# KiCad board cpu2.kicad_pcb (continued)
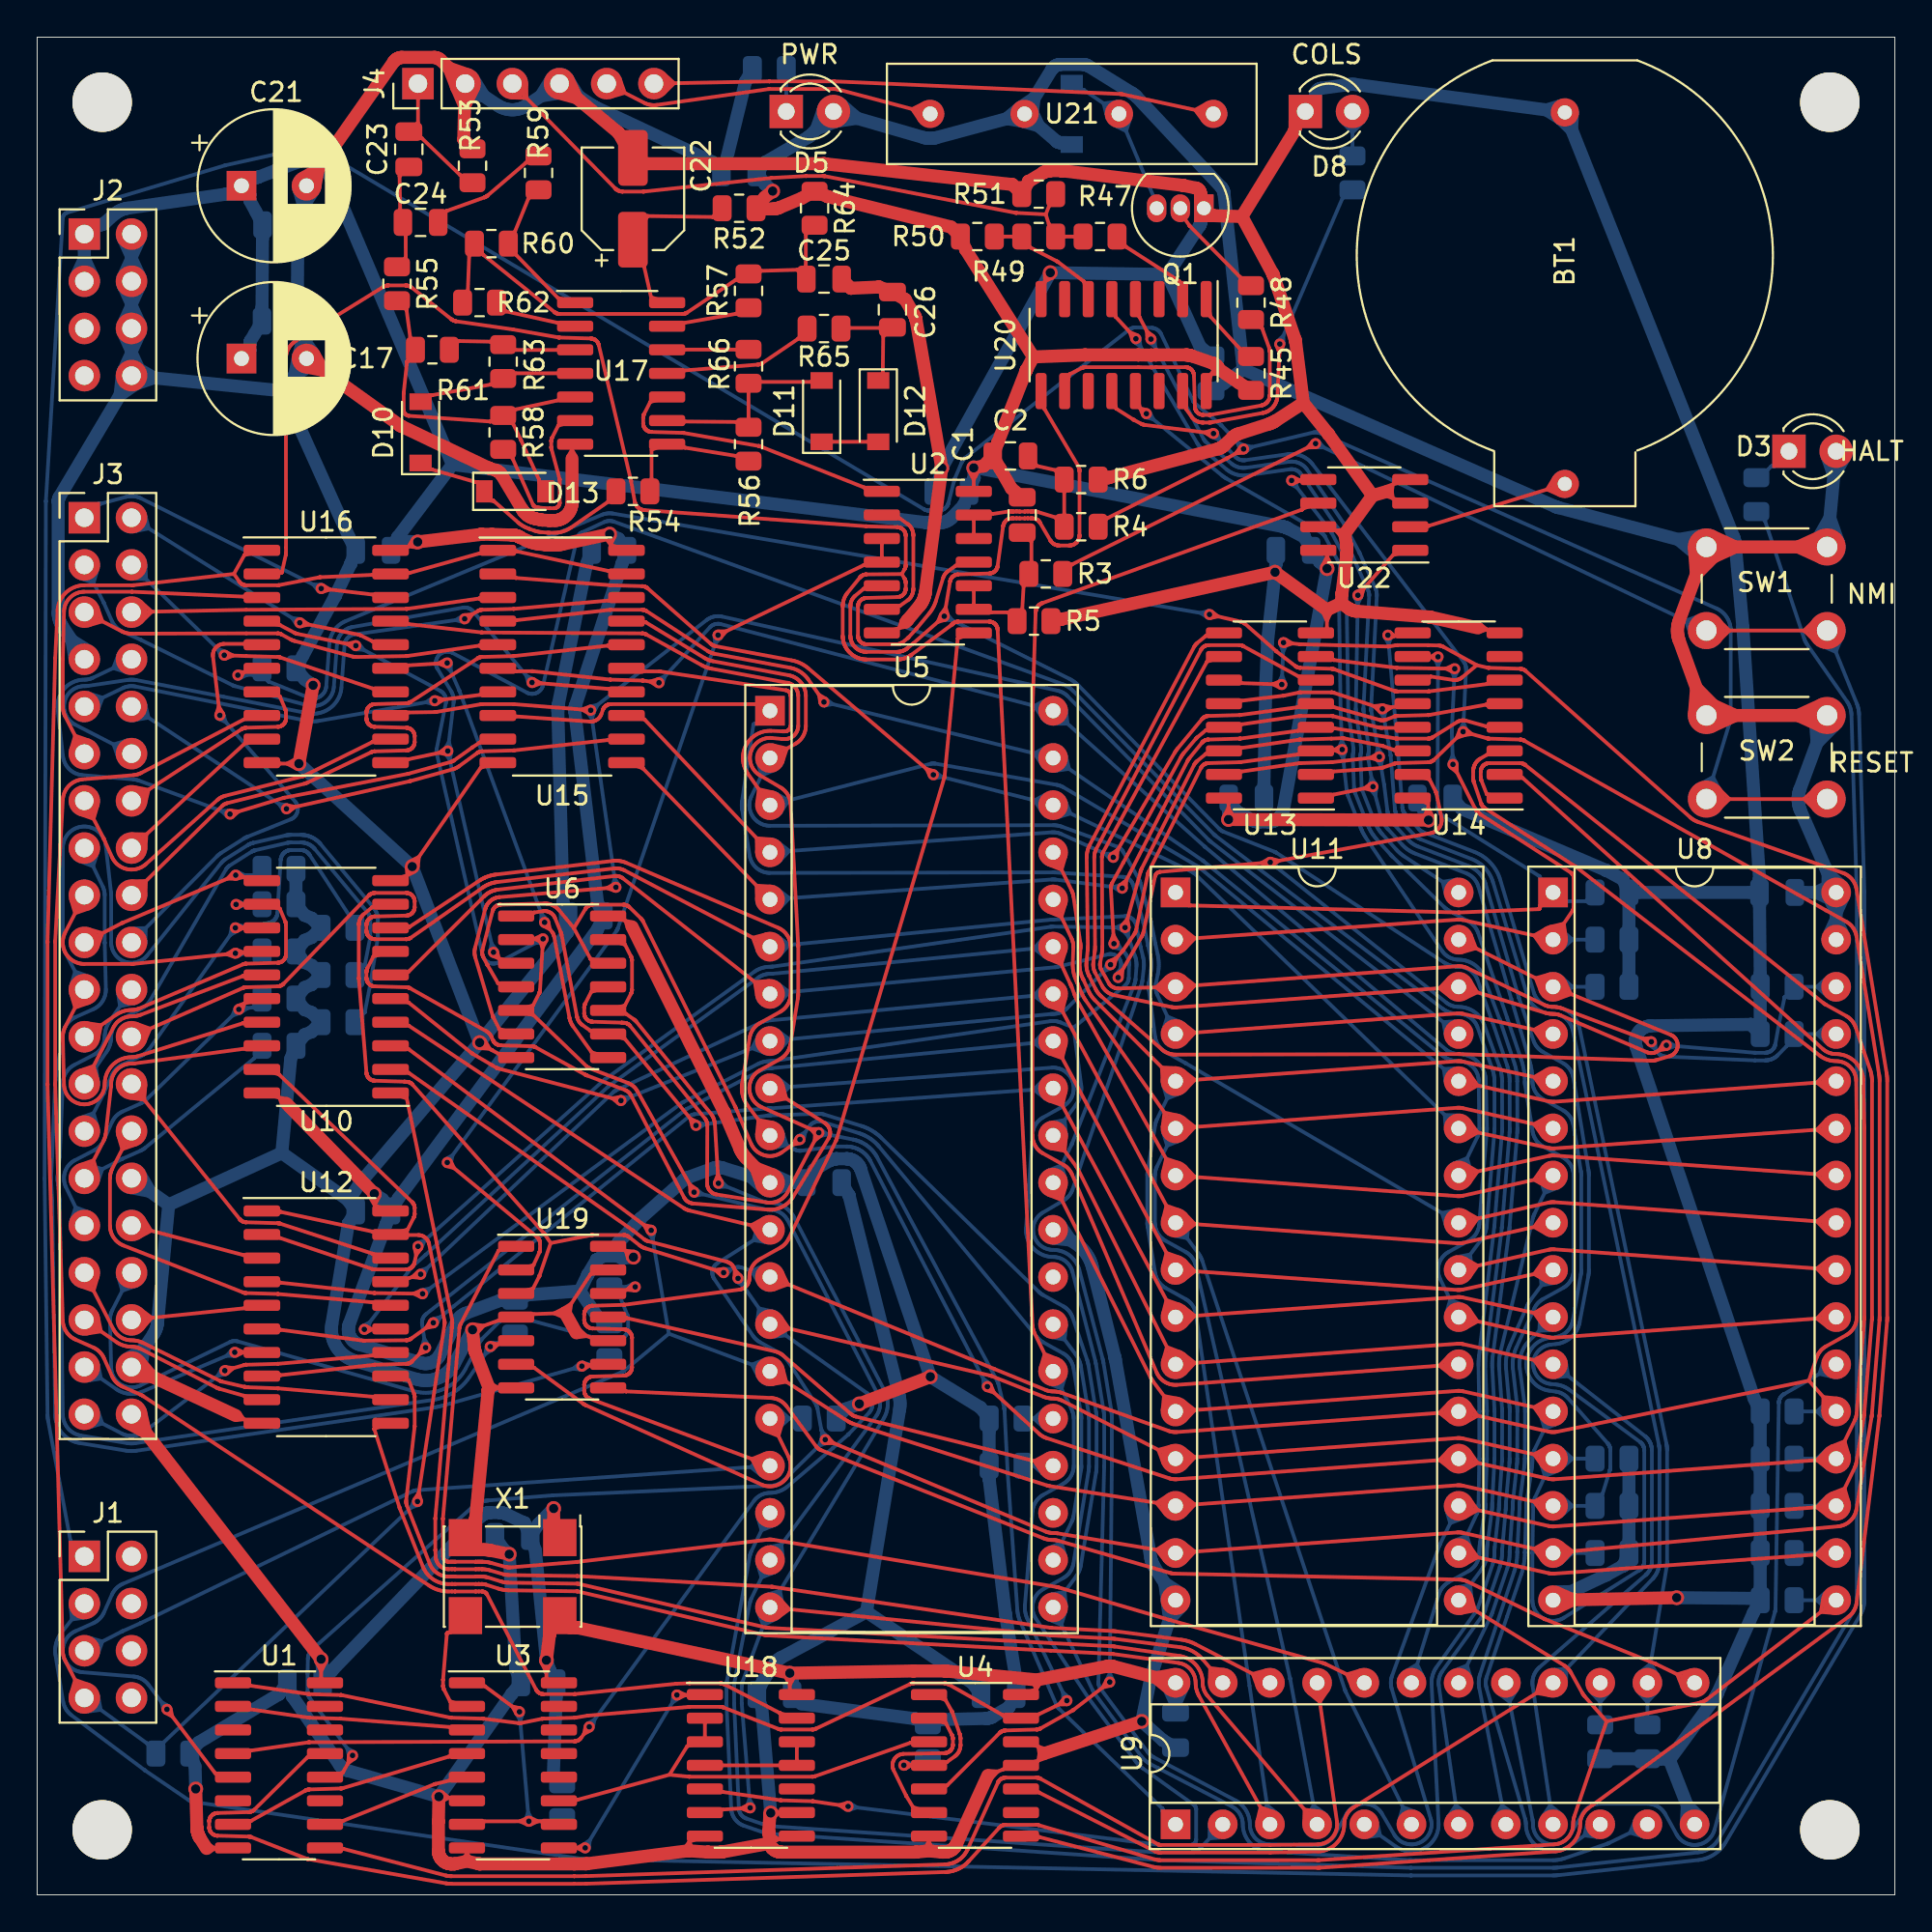
[diagram p0: board, top side]
## Routing (per net, layer and track width the routed paths; a pad name or vN(x,y) marks a point on that pad's centre or on a via; arc(x,y) is an arc through that point) (continued)
F_D2: length 23.2
  Top w0.2: U10.16 11.15,47.99 ; 11.15,47.99 v2(10.86,47.66) ; 11.15,47.99 11.05,47.61 ; 11.15,47.99 10.79,47.85
  Bottom w0.2: 10.92,47.48 10.51,47.33 10.67,47.74 ; 1.83,36.26 2.07,37.01 2.81,36.73 ; R39.1 11.6,47.77 v2(10.86,47.66) 5.89,42.82 5.86,42.79 5.82,42.76 5.79,42.73 5.75,42.7 5.71,42.68 5.67,42.65 5.63,42.63 5.59,42.61 5.55,42.59 4.61,42.17 4.55,42.14 4.5,42.11 4.45,42.08 4.4,42.05 4.35,42.01 4.3,41.97 4.26,41.93 4.22,41.89 4.18,41.84 4.14,41.79 4.11,41.74 4.08,41.69 4.05,41.64 4.02,41.58 3.6,40.64 3.58,40.59 3.55,40.54 3.52,40.49 3.49,40.44 3.46,40.4 3.42,40.35 3.38,40.31 3.34,40.27 3.3,40.24 3.26,40.2 3.21,40.17 3.17,40.13 3.12,40.11 3.07,40.08 2.04,39.55 1.98,39.52 1.93,39.48 1.88,39.45 1.83,39.41 1.78,39.36 1.74,39.32 1.7,39.27 1.66,39.22 1.62,39.17 1.59,39.12 1.56,39.06 1.53,39.01 1.51,38.95 1.49,38.89 1.47,38.83 1.46,38.77 1.45,38.71 1.44,38.64 1.44,38.58 1.44,38.52 1.45,38.46 1.46,38.39 1.47,38.33 1.48,38.27 1.5,38.21 1.52,38.15 1.55,38.1 J3.31 ; 10.91,47.86 11.33,47.73 10.97,47.5
F_D3: length 42.7
  Top w0.2: U10.15 11.21,49.47 11.11,49.46 11.08,49.46 11.07,49.46 5.59,47.38 5.54,47.36 5.48,47.34 5.43,47.33 5.37,47.32 5.31,47.31 5.25,47.3 5.2,47.29 5.14,47.29 5.08,47.29 5.02,47.29 4.96,47.28 4.9,47.27 4.84,47.26 4.78,47.25 4.73,47.23 4.67,47.21 4.61,47.18 4.56,47.16 4.51,47.13 4.46,47.09 4.41,47.06 4.36,47.02 4.32,46.98 4.28,46.94 4.24,46.89 4.2,46.84 4.17,46.8 4.13,46.74 4.1,46.69 J3.25 ; 3.26,43.86 3.04,44.62 2.29,44.36
  Bottom w0.2: R40.1 17.61,50.03 17.63,50.04 17.64,50.06 17.64,50.06 17.92,51.5 17.93,51.53 17.93,51.59 17.93,51.61 17.93,52.5 17.93,52.53 17.93,52.59 17.92,52.61 17.92,52.63 17.9,52.68 17.89,52.71 17.89,52.72 17.86,52.77 17.85,52.79 17.84,52.81 17.81,52.85 17.8,52.86 14.94,56.3 14.91,56.33 14.9,56.35 14.87,56.38 14.85,56.4 14.84,56.41 14.82,56.42 14.8,56.44 14.79,56.45 14.73,56.49 14.72,56.5 14.7,56.51 14.68,56.52 14.66,56.53 14.64,56.54 14.58,56.57 14.57,56.58 14.55,56.59 14.53,56.59 14.51,56.6 14.49,56.61 14.44,56.62 14.4,56.63 14.38,56.63 14.36,56.64 14.34,56.64 14.32,56.64 14.28,56.65 14.23,56.65 14.2,56.65 13.67,56.65 13.63,56.65 13.58,56.65 13.54,56.64 13.51,56.64 13.48,56.63 13.46,56.63 11.73,56.23 11.67,56.21 11.65,56.2 11.63,56.2 11.58,56.17 11.55,56.16 10.36,55.41 10.34,55.39 10.32,55.38 10.3,55.36 10.28,55.34 10.26,55.32 10.24,55.3 10.22,55.28 10.2,55.26 10.19,55.24 10.17,55.22 10.16,55.2 6.08,48.15 6.06,48.1 6.02,48.06 5.99,48.01 5.96,47.97 5.92,47.93 5.88,47.89 5.84,47.85 5.8,47.82 5.75,47.79 5.71,47.75 5.66,47.73 5.61,47.7 4.58,47.16 4.52,47.14 4.47,47.1 4.42,47.07 4.38,47.03 4.33,46.99 4.29,46.95 4.25,46.91 4.21,46.86 4.18,46.81 4.14,46.76 4.11,46.71 4.09,46.65 4.06,46.6 4.04,46.54 4.02,46.49 4.01,46.43 4,46.37 3.99,46.31 3.98,46.25 3.98,46.19 3.98,46.12 3.98,46.06 3.97,45.99 3.96,45.92 3.94,45.86 3.93,45.79 3.91,45.73 3.88,45.67 3.86,45.6 3.83,45.54 3.8,45.48 3.76,45.43 3.73,45.37 J3.25 ; 2.39,44.38 3.16,44.55 3.28,43.77
F_D4: length 19.8
  Top w0.2: 2.79,53.1 2.04,52.84 1.82,53.6 ; 11.1,50.73 10.74,50.87 ; 11.1,50.73 10.79,50.52 ; 11.1,50.73 11.11,50.73 11.21,50.73 U10.14 ; 11.1,50.73 v2(10.67,50.69) 5.2,50.12 5.18,50.11 5.15,50.11 5.13,50.11 5.1,50.11 5.08,50.11 2.54,50.11 2.47,50.11 2.4,50.12 2.33,50.13 2.26,50.14 2.2,50.16 2.13,50.18 2.07,50.21 2,50.24 1.94,50.28 1.88,50.31 1.83,50.35 1.77,50.4 1.72,50.45 1.67,50.5 1.63,50.55 1.59,50.61 1.55,50.67 1.52,50.73 1.48,50.79 1.46,50.85 1.43,50.92 1.42,50.99 1.4,51.05 1.39,51.12 1.38,51.19 1.38,51.26 1.38,51.33 1.39,51.4 1.4,51.47 1.41,51.54 1.43,51.61 1.45,51.67 1.48,51.74 1.51,51.8 J3.17 ; 10.61,50.5 10.19,50.64 10.57,50.86
  Bottom w0.2: 10.76,50.87 11.15,50.69 10.76,50.5 ; v2(10.67,50.69) 11.69,50.69 R41.1
F_D5: length 31.4
  Top w0.2: 11.11,52.05 10.76,52.23 ; 11.11,52.05 v2(10.67,52.05) ; 11.11,52.05 11.21,52.05 12.1,52.06 ; 11.11,52.05 10.76,51.88
  Bottom w0.2: 10.78,51.89 11.14,52.13 10.72,52.25 ; 13.37,56.15 13.32,56.12 13.3,56.1 13.29,56.09 13.25,56.05 13.23,56.03 13.22,56.02 13.19,55.98 13.18,55.95 13.17,55.94 13.15,55.89 13.14,55.86 13.13,55.85 13.12,55.79 13.12,55.77 13.11,55.75 13.11,55.7 12.93,52.86 12.92,52.79 12.92,52.77 12.92,52.75 12.9,52.7 12.89,52.67 12.89,52.66 12.86,52.61 12.85,52.59 12.84,52.57 12.81,52.53 12.79,52.51 12.78,52.49 12.74,52.46 12.72,52.44 12.71,52.43 12.67,52.4 12.64,52.38 12.63,52.38 12.58,52.35 12.55,52.34 12.54,52.34 12.49,52.33 12.46,52.32 v2(10.67,52.05) 6.03,45.52 5.99,45.48 5.96,45.44 5.93,45.4 5.89,45.36 5.85,45.33 5.81,45.29 5.77,45.26 5.73,45.23 5.69,45.2 5.64,45.18 5.6,45.15 5.55,45.13 4.61,44.71 4.55,44.68 4.5,44.65 4.45,44.62 4.4,44.59 4.35,44.55 4.3,44.51 4.26,44.47 4.22,44.43 4.18,44.38 4.14,44.33 4.11,44.28 4.08,44.23 4.05,44.18 4.02,44.12 3.6,43.18 3.59,43.15 3.57,43.12 J3.27 ; 13.37,56.15 13.39,56.17 13.41,56.18 13.46,56.2 13.49,56.21 13.5,56.22 13.56,56.23 13.58,56.23 13.6,56.24 13.65,56.24 13.67,56.24 14.2,56.24 14.22,56.24 14.28,56.23 14.3,56.23 14.32,56.23 14.37,56.21 14.4,56.2 14.41,56.2 14.46,56.17 14.48,56.16 14.5,56.15 14.54,56.12 14.56,56.1 14.58,56.09 14.61,56.05 14.63,56.03 14.64,56.02 14.67,55.98 16.78,52.75 16.78,52.75 R42.1 ; 10.47,52.09 10.39,51.66 10.77,51.88 ; 3.26,41.32 3.04,42.08 2.29,41.82
F_D6: length 21.5
  Top w0.2: 11.11,53.31 11.21,53.31 U10.12 13.06,53.09 13.06,53.08 13.36,52.38 13.37,52.35 13.39,52.3 13.39,52.28 13.39,52.26 13.4,52.22 13.4,52.2 13.4,50.64 13.39,50.61 13.39,50.57 13.39,50.55 13.38,50.53 13.37,50.49 13.36,50.47 13.36,50.45 13.34,50.42 13.33,50.4 13.32,50.38 13.3,50.35 13.28,50.33 13.27,50.32 13.24,50.29 13.22,50.28 13.21,50.27 13.18,50.25 13.16,50.23 13.14,50.22 13.11,50.21 13.08,50.2 13.07,50.19 13.03,50.18 13.01,50.18 12.99,50.18 12.94,50.17 11.25,50.13 11.21,50.12 11.18,50.12 11.15,50.11 11.11,50.1 11.09,50.09 5.51,47.72 5.47,47.7 5.43,47.69 5.38,47.68 5.34,47.67 5.3,47.66 5.26,47.65 5.21,47.64 5.17,47.64 5.12,47.63 5.01,47.63 4.95,47.63 4.88,47.62 4.81,47.61 4.75,47.59 4.68,47.58 4.62,47.56 4.56,47.53 4.49,47.51 4.43,47.48 4.37,47.45 4.32,47.41 4.26,47.38 J3.23 ; 11.11,53.31 10.8,53.14 ; 11.11,53.31 v2(10.71,53.31) ; 11.11,53.31 10.8,53.49 ; 2.66,46.93 3.44,46.81 3.27,46.04
  Bottom w0.2: v2(10.71,53.31) 11.69,53.31 R43.1 ; 10.79,53.5 11.19,53.31 10.79,53.13
F_D7: length 16
  Top w0.2: 10.68,54.69 10.25,54.7 10.54,55.03 ; 2.75,51.99 3.51,51.77 3.25,51.02 ; J3.19 4.55,52.3 4.58,52.32 4.61,52.33 4.63,52.34 v2(10.69,54.89) 11.12,54.78 ; 11.12,54.78 10.82,55.04 ; 11.12,54.78 U10.11 ; 11.12,54.78 10.73,54.7
  Bottom w0.2: v2(10.69,54.89) 11.69,54.89 R44.1 ; 10.77,54.71 11.17,54.89 10.77,55.07
M1: length 62.8
  Top w0.2: U18.5 36.92,5.54 40,5.09 40.02,5.09 40.06,5.09 41.73,5.04 41.79,5.04 41.79,5.04 v2(43.65,4.76) ; 43.54,4.59 43.18,4.83 43.6,4.95
  Bottom w0.2: v2(43.65,4.76) 60.44,2.69 60.47,2.68 60.48,2.68 62.08,2.68 62.1,2.69 62.12,2.69 62.13,2.69 62.15,2.69 62.17,2.7 62.19,2.7 62.2,2.71 62.22,2.72 62.24,2.73 62.25,2.74 62.27,2.75 62.28,2.76 62.29,2.77 62.31,2.78 62.32,2.8 62.33,2.81 62.34,2.82 62.35,2.84 62.36,2.86 62.36,2.87 62.37,2.89 62.38,2.91 62.38,2.92 62.39,2.94 62.39,2.96 62.39,2.98 62.39,3 62.39,4.59 62.39,4.61 62.39,4.63 62.39,4.64 62.38,4.66 62.38,4.68 62.37,4.69 62.37,4.71 62.36,4.72 62.36,4.74 62.35,4.75 62.34,4.77 62.33,4.78 62.32,4.79 62.31,4.8 62.3,4.82 62.29,4.83 62.27,4.84 62.26,4.85 59.52,6.81 59.46,6.85 59.4,6.9 59.35,6.95 59.3,7 59.25,7.05 59.2,7.1 59.15,7.16 59.1,7.22 56.59,10.6 56.57,10.63 56.55,10.67 53.76,14.87 53.73,14.92 53.7,14.98 53.67,15.04 53.65,15.1 53.63,15.16 53.61,15.22 53.6,15.29 53.59,15.35 53.58,15.42 53.58,15.48 53.58,15.55 53.59,15.61 53.6,15.68 53.61,15.74 53.63,15.81 53.65,15.87 53.67,15.93 53.7,15.99 53.73,16.04 53.77,16.1 53.81,16.15 53.85,16.2 53.89,16.25 53.94,16.3 53.99,16.34 54.04,16.38 54.09,16.42 54.15,16.45 55.23,17.05 55.28,17.08 55.33,17.11 55.38,17.15 55.42,17.18 55.46,17.22 55.5,17.27 55.54,17.31 55.58,17.36 55.61,17.4 55.64,17.45 55.67,17.51 55.7,17.56 55.72,17.61 55.74,17.67 55.76,17.72 55.77,17.78 55.78,17.84 56.59,22.79 56.6,22.84 56.61,22.89 56.61,22.94 56.62,22.99 56.62,23.05 56.62,23.1 56.62,25.64 56.62,25.69 56.62,25.74 56.61,25.8 56.61,25.85 56.6,25.9 56.59,25.95 56.19,28.42 56.18,28.49 56.16,28.55 56.14,28.62 56.12,28.68 56.1,28.74 56.07,28.8 56.05,28.86 56.02,28.92 55.98,28.98 55.95,29.03 55.91,29.09 U5.27 ; 55.39,30.65 55.31,29.89 54.56,30.03 ; 43.71,4.57 44.13,4.7 43.76,4.93
MEMCHIP: length 69.8
  Top w0.2: U14.9 73.07,67.77 73.07,67.77 ; 73.07,67.77 72.8,67.63 ; 73.07,67.77 72.84,67.96 ; 73.07,67.77 v2(72.71,67.81)
  Bottom w0.2: R26.1 U9.14 87.72,17.65 87.72,17.7 87.73,17.75 87.74,17.81 87.74,17.84 87.74,17.87 87.74,17.9 87.74,17.92 87.74,17.95 87.74,23.93 87.74,23.96 87.74,23.98 87.74,24.01 87.74,24.04 87.74,24.07 87.73,24.11 87.73,24.15 87.72,24.18 87.72,24.22 87.71,24.25 87.7,24.29 83.03,46.64 83.01,46.72 82.99,46.8 82.96,46.88 82.92,46.95 82.89,47.03 82.85,47.1 82.8,47.17 82.75,47.24 82.7,47.3 82.64,47.36 82.58,47.42 82.52,47.47 82.45,47.52 82.39,47.57 82.31,47.61 82.24,47.65 82.17,47.69 82.09,47.72 82.01,47.74 81.93,47.76 81.85,47.78 81.77,47.79 81.68,47.8 81.54,47.8 81.48,47.81 81.42,47.82 81.36,47.83 81.3,47.84 81.25,47.86 81.19,47.88 81.13,47.91 81.08,47.93 81.03,47.96 80.98,48 80.93,48.03 80.88,48.07 80.84,48.11 80.8,48.16 80.76,48.2 80.72,48.25 80.69,48.3 80.66,48.35 80.63,48.4 80.61,48.46 80.58,48.51 80.56,48.57 78.76,54.63 78.72,54.75 78.68,54.86 78.63,54.98 78.57,55.09 78.51,55.2 78.44,55.3 78.36,55.4 78.28,55.5 78.2,55.59 78.11,55.68 78.01,55.76 77.91,55.84 77.81,55.91 77.7,55.98 77.59,56.04 77.48,56.1 77.36,56.14 74.64,57.19 74.61,57.2 74.58,57.22 74.55,57.23 74.52,57.25 74.5,57.27 74.47,57.29 74.44,57.31 74.42,57.33 74.39,57.35 74.37,57.38 73.63,58.2 73.61,58.22 73.57,58.27 73.56,58.29 73.55,58.31 73.53,58.36 73.52,58.38 73.51,58.4 73.5,58.45 73.5,58.48 73.49,58.49 73.49,58.54 73.27,61.34 73.27,61.35 v2(72.71,67.81) ; 86.16,10.94 86.68,10.38 87.2,10.94 ; 87.27,11.79 86.85,12.44 86.25,11.96 ; 72.54,67.71 72.75,67.33 72.9,67.74
RAM~{ROM}: length 3.8
  Bottom w0.2: U9.15 R27.1 ; 83.62,10.94 84.14,10.38 84.66,10.94
S0: length 67.3
  Top w0.2: 60.82,48.35 60.24,48.85 60.79,49.38 ; 61.79,48.4 62.32,48.96 61.71,49.43 ; U13.10 62.97,66.39 62.97,66.39 57.39,56.14 57.38,56.12 57.37,56.09 57.36,56.07 57.35,56.04 57.34,56.01 57.33,55.99 57.33,55.96 57.32,55.93 57.32,55.9 57.32,55.87 57.32,55.85 57.34,51.05 57.34,50.97 57.33,50.88 57.33,50.8 57.32,50.72 57.31,50.64 57.29,50.55 57.22,50.18 57.22,50.15 57.22,50.12 57.21,50.09 57.21,50.06 57.21,50.04 57.22,50.01 57.22,49.98 57.23,49.95 57.23,49.93 57.24,49.9 57.25,49.87 57.26,49.85 57.27,49.82 57.29,49.8 ; v2(86.89,45.92) 82.11,47.71 82.06,47.73 82,47.74 81.94,47.76 81.89,47.77 81.83,47.78 81.77,47.79 81.72,47.8 81.66,47.8 81.55,47.8 81.5,47.8 81.46,47.81 81.41,47.82 81.36,47.83 81.31,47.84 81.27,47.85 81.22,47.87 81.18,47.89 81.13,47.91 77,49.88 76.95,49.9 76.9,49.92 76.85,49.94 76.8,49.95 76.75,49.97 76.7,49.98 76.65,49.98 76.6,49.99 76.54,49.99 76.49,49.99 76.44,49.99 U11.3 58.21,48.79 58.17,48.79 58.14,48.79 58.11,48.8 58.08,48.8 58.05,48.81 58.02,48.82 57.99,48.83 57.96,48.84 57.93,48.85 57.9,48.87 57.87,48.89 57.85,48.9 57.82,48.92 57.8,48.94 57.77,48.97 57.75,48.99 57.73,49.01 57.71,49.04 57.69,49.07 57.68,49.09 57.28,49.8 ; 86.75,45.78 86.44,46.09 86.88,46.12
  Bottom w0.2: 93.55,45.08 93.54,45.07 93.52,45.06 93.5,45.05 93.48,45.04 93.46,45.03 93.44,45.02 93.41,45 ; 93.41,45 93.39,44.99 93.37,44.98 93.35,44.98 93.33,44.97 93.31,44.96 93.29,44.96 93.24,44.95 93.22,44.94 93.2,44.94 93.18,44.93 93.16,44.93 93.14,44.93 93.12,44.93 93.07,44.92 93.03,44.92 93.02,44.92 92.49,44.92 92.46,44.92 87.68,45.12 87.64,45.13 87.61,45.13 87.58,45.14 87.55,45.14 87.52,45.15 87.49,45.16 87.46,45.17 87.43,45.19 87.4,45.2 87.37,45.22 87.34,45.24 87.32,45.26 87.29,45.28 87.27,45.3 87.25,45.33 87.23,45.35 87.21,45.38 87.19,45.4 87.17,45.43 v2(86.89,45.92) ; 86.78,45.76 87.13,45.5 87.09,45.94 ; 93.55,45.08 93.59,45.11 93.61,45.12 93.63,45.13 93.64,45.15 93.66,45.16 93.68,45.18 93.69,45.19 94.17,45.68 94.17,45.69 R21.1 U8.29 ; 96.37,46.86 95.8,46.34 96.37,45.82
S1: length 76.5
  Top w0.2: 81.41,49.55 80.67,49.35 80.95,48.63 ; 76.71,50.75 77.45,50.95 77.17,51.67 ; 81.84,48.22 82.56,48.49 82.23,49.18 ; U11.31 U8.3 87.93,46.3 87.97,46.28 88,46.27 88.03,46.25 88.06,46.22 88.09,46.2 88.12,46.18 88.15,46.15 88.17,46.12 88.2,46.09 88.22,46.06 88.24,46.03 88.25,45.99 88.27,45.96 88.28,45.93 88.29,45.89 88.3,45.85 88.31,45.82 88.31,45.78 88.31,45.74 88.31,45.7 88.31,45.67 88.3,45.63 88.3,45.59 88.29,45.55 88.27,45.52 88.26,45.48 88.24,45.45 88.22,45.42 88.2,45.39 88.18,45.36 88.16,45.33 88.13,45.3 88.1,45.27 88.07,45.25 88.04,45.23 88.01,45.21 87.98,45.19 87.95,45.17 87.91,45.16 87.87,45.15 87.18,44.94 87.14,44.93 87.1,44.92 87.06,44.91 87.02,44.91 86.98,44.9 86.94,44.9 86.9,44.9 86.86,44.9 76.57,45.26 76.52,45.26 61.28,45.23 61.23,45.23 61.17,45.24 61.11,45.24 61.06,45.25 61,45.27 60.94,45.28 60.89,45.3 60.84,45.32 60.79,45.35 60.74,45.37 60.69,45.4 60.64,45.43 60.59,45.47 60.55,45.5 57.29,48.36 57.25,48.4 57.21,48.44 57.17,48.48 57.13,48.53 57.09,48.57 57.06,48.62 57.03,48.67 57,48.73 56.97,48.78 56.63,49.46 56.62,49.49 56.59,49.54 56.57,49.6 56.55,49.66 56.53,49.71 56.51,49.77 56.5,49.83 56.49,49.89 56.48,49.95 56.48,50.02 56.48,50.08 56.48,50.14 56.49,50.2 56.55,50.86 56.55,50.9 56.56,50.94 56.56,50.98 56.56,51.02 56.56,51.06 56.5,55.83 56.5,55.9 56.5,55.96 56.51,56.02 56.52,56.09 56.53,56.15 56.54,56.22 56.56,56.28 56.58,56.34 56.61,56.4 56.63,56.46 56.66,56.52 62.27,67.17 62.29,67.2 62.31,67.23 62.32,67.25 62.34,67.28 62.36,67.3 62.38,67.33 62.41,67.35 62.43,67.37 62.45,67.39 62.9,67.76 62.91,67.77 U13.9
  Bottom w0.2: R22.1 U8.3 ; 82.07,49.4 82.64,48.88 82.07,48.36
S2: length 57.9
  Top w0.2: v2(76.21,60.85) 77.4,58.49 77.41,58.46 77.43,58.43 77.45,58.4 77.48,58.36 77.49,58.35 77.5,58.33 77.52,58.31 77.53,58.3 77.56,58.27 77.58,58.25 77.59,58.24 77.61,58.22 77.63,58.21 77.64,58.2 77.69,58.16 77.7,58.15 82.57,55.02 82.58,55.01 82.6,55 82.61,54.99 82.62,54.98 82.63,54.96 82.64,54.95 82.65,54.94 82.66,54.92 82.67,54.91 82.68,54.89 82.69,54.88 82.69,54.86 82.7,54.84 82.7,54.83 82.71,54.81 82.71,54.79 82.71,54.78 82.71,54.76 82.71,53.16 82.71,53.14 82.71,53.13 82.71,53.11 82.7,53.1 82.7,53.08 82.7,53.07 82.69,53.05 82.69,53.04 82.68,53.03 82.67,53.01 82.67,53 82.66,52.99 U8.2 76.75,52.48 76.71,52.48 76.67,52.49 76.64,52.49 76.6,52.5 76.56,52.5 76.52,52.5 76.48,52.5 76.44,52.5 U11.2 ; 82.29,51.52 82.18,52.28 81.43,52.1 ; v2(76.31,66) 73.22,66.05 73.19,66.05 73.16,66.05 69.81,66.47 69.8,66.47 U13.7 ; 76.41,60.86 76.43,60.42 76.09,60.7 ; 76.23,66.19 75.83,66.01 76.22,65.82 ; 61.71,51.97 62.32,51.49 61.79,50.94 ; 81.25,52.03 80.58,51.64 81.03,51.01
  Bottom w0.2: v2(76.21,60.85) 76.15,62.59 76.15,62.62 76.15,62.64 v2(76.31,66) ; 76.39,60.94 76.19,61.33 76.03,60.93 ; 82.07,50.9 82.64,51.42 82.07,51.94 ; 76.49,65.91 76.29,65.52 76.12,65.93 ; U8.2 R23.1
S3: length 75.8
  Top w0.2: 76.82,48.25 77.52,48.58 77.12,49.24 ; 62.88,67.23 62.9,67.24 62.93,67.25 62.96,67.26 62.99,67.27 63.04,67.27 63.06,67.27 64.71,67.27 64.74,67.27 64.77,67.27 64.8,67.26 64.82,67.26 64.85,67.25 64.88,67.24 64.93,67.22 64.93,67.21 67.87,65.6 U13.6 ; 87.23,45.42 v2(87.7,45.73) ; 62.88,67.23 62.84,67.22 62.82,67.2 62.79,67.19 62.77,67.17 62.75,67.15 62.72,67.12 62.7,67.1 62.67,67.06 62.66,67.04 62.66,67.03 57.02,56.32 57,56.28 56.98,56.24 56.97,56.2 56.95,56.16 56.94,56.11 56.93,56.07 56.92,56.02 56.91,55.98 56.91,55.93 56.91,55.89 56.91,55.84 56.95,51.06 56.95,51 56.95,50.95 56.94,50.9 56.94,50.84 56.93,50.79 56.93,50.74 56.85,50.2 56.85,50.15 56.85,50.11 56.85,50.07 56.85,50.02 56.85,49.98 56.86,49.93 56.86,49.89 56.87,49.85 56.89,49.8 56.9,49.76 56.92,49.72 56.93,49.68 56.95,49.64 57.33,48.93 57.35,48.88 57.38,48.84 57.41,48.8 57.44,48.76 57.47,48.72 57.51,48.68 57.54,48.65 57.58,48.62 57.62,48.59 57.67,48.56 57.71,48.53 57.75,48.51 57.8,48.49 57.85,48.47 57.89,48.45 57.94,48.44 57.99,48.43 61.06,47.79 61.09,47.79 61.13,47.78 61.17,47.78 61.21,47.77 61.25,47.77 61.28,47.77 61.32,47.77 61.36,47.77 U11.30 81.18,47.48 81.23,47.47 81.28,47.45 81.34,47.44 81.39,47.44 81.44,47.43 81.49,47.42 81.55,47.42 81.64,47.42 81.69,47.42 81.73,47.41 81.77,47.41 81.82,47.4 81.86,47.39 81.9,47.38 81.94,47.36 81.98,47.35 82.02,47.33 86.65,45.36 86.68,45.35 86.72,45.34 86.75,45.33 86.78,45.32 86.82,45.32 86.85,45.31 86.88,45.31 86.92,45.31 86.95,45.31 86.98,45.32 87.02,45.32 87.05,45.33 87.08,45.34 87.12,45.35 87.15,45.37 87.18,45.38 87.21,45.4 87.23,45.42 ; 87.53,45.84 87.3,45.46 87.73,45.54 ; 76.09,48.33 75.48,48.8 76.01,49.36
  Bottom w0.2: v2(87.7,45.73) 92.46,45.33 92.49,45.33 93.02,45.33 93.04,45.33 93.1,45.33 93.12,45.34 93.14,45.34 93.19,45.36 93.22,45.37 93.23,45.37 93.28,45.4 93.3,45.41 93.32,45.42 93.36,45.45 93.38,45.47 93.4,45.48 93.43,45.52 93.45,45.54 93.46,45.55 93.49,45.59 93.51,45.62 93.51,45.63 93.54,45.68 93.55,45.71 93.55,45.72 93.56,45.78 93.57,45.79 93.76,46.89 93.76,46.9 94.05,48.27 94.06,48.29 94.07,48.31 94.08,48.32 94.09,48.32 R24.1 U8.30 ; 96.37,49.4 95.8,48.88 96.37,48.36 ; 87.8,45.91 88.18,45.69 87.77,45.54
S4: length 42.5
  Top w0.2: U11.1 61.98,53.26 62.08,53.26 76.49,52.88 76.54,52.88 76.57,52.88 80.8,53.06 80.82,53.06 80.84,53.07 80.85,53.08 80.87,53.09 80.88,53.1 80.89,53.11 80.9,53.13 80.9,53.15 80.9,53.16 80.9,53.26 U8.1 ; 75.02,66.64 75.31,66.47 ; 75.02,66.64 75.31,66.81 ; 75.02,66.64 v2(75.41,66.64) ; 75.02,66.64 74.92,66.64 U14.10
  Bottom w0.2: v2(75.41,66.64) 75.39,59.52 75.39,58.56 75.39,58.54 75.4,58.48 75.4,58.46 75.41,58.42 75.42,58.39 75.43,58.36 75.44,58.33 75.46,58.3 75.47,58.28 75.48,58.26 75.51,58.22 75.53,58.2 75.54,58.18 75.58,58.15 75.6,58.13 75.61,58.12 75.66,58.08 80.85,54.84 80.87,54.83 80.88,54.82 80.89,54.8 80.9,54.78 80.9,54.76 80.9,54.66 U8.1 82.3,53.49 83.35,53.49 R25.1 ; 75.59,66.56 75.41,66.16 75.23,66.56
~{BankSel}: length 108.7
  Top w0.2: 72.46,64.03 72.89,63.92 72.53,63.67 ; U4.10 53.93,5.51 53.93,5.51 60.15,2.35 60.18,2.34 60.21,2.33 60.24,2.32 60.27,2.31 60.3,2.3 60.33,2.29 60.36,2.29 60.39,2.28 60.42,2.28 60.45,2.28 60.48,2.27 66.36,2.27 66.4,2.28 68.93,2.34 69.02,2.34 69.1,2.35 69.18,2.36 69.27,2.38 69.35,2.4 69.42,2.43 69.5,2.46 69.58,2.5 69.65,2.54 69.72,2.59 69.79,2.64 69.85,2.69 69.91,2.75 69.97,2.81 70.03,2.87 70.08,2.93 70.13,3 70.17,3.08 70.21,3.15 70.24,3.22 70.27,3.3 70.3,3.38 70.32,3.46 70.34,3.55 70.35,3.63 70.36,3.71 70.36,3.85 70.37,3.91 70.37,3.97 70.38,4.02 70.4,4.08 70.41,4.13 70.43,4.19 70.46,4.24 70.48,4.29 70.51,4.34 70.54,4.39 70.57,4.44 70.61,4.48 70.65,4.53 70.69,4.57 70.73,4.61 70.77,4.64 70.82,4.68 70.87,4.71 U9.16 ; 72.39,64.04 71.96,63.99 72.28,63.69 ; 81.47,10.73 80.72,10.86 80.93,11.6 ; U14.12 73.07,63.96 v2(72.42,63.84) 69.81,64.71 69.79,64.71 69.76,64.72 69.73,64.73 69.68,64.73 69.66,64.73 68.01,64.73 67.98,64.73 67.94,64.73 67.92,64.72 67.12,64.56 67.09,64.55 67.07,64.55 64.86,64.28 U13.12
  Bottom w0.2: 82.3,11.4 82.32,12.17 81.55,12.11 ; v2(72.42,63.84) 72.85,61.37 72.86,61.33 72.86,61.31 73.08,58.51 73.09,58.46 73.09,58.44 73.09,58.42 73.09,58.4 73.1,58.38 73.1,58.36 73.11,58.31 73.12,58.27 73.13,58.25 73.14,58.23 73.14,58.21 73.15,58.19 73.18,58.13 73.19,58.12 73.2,58.1 73.21,58.08 73.22,58.06 73.23,58.04 73.27,57.99 73.29,57.96 73.31,57.93 73.32,57.92 74.07,57.1 74.1,57.06 74.14,57.03 74.18,56.99 74.22,56.96 74.26,56.93 74.31,56.9 74.35,56.88 74.4,56.85 74.45,56.83 74.49,56.81 77.21,55.76 77.31,55.72 77.4,55.68 77.49,55.63 77.58,55.57 77.67,55.51 77.75,55.45 77.82,55.38 77.9,55.31 77.97,55.24 78.04,55.16 78.1,55.07 78.15,54.99 78.21,54.9 78.25,54.81 78.3,54.71 78.33,54.62 78.37,54.52 80.2,48.46 80.23,48.38 80.26,48.3 80.29,48.23 80.33,48.16 80.37,48.09 80.42,48.02 80.47,47.96 80.52,47.9 80.58,47.84 80.64,47.78 80.7,47.73 80.76,47.68 80.83,47.64 80.9,47.6 80.97,47.56 81.05,47.53 81.12,47.5 81.2,47.48 81.28,47.46 81.36,47.44 81.44,47.43 81.52,47.42 81.66,47.42 81.72,47.41 81.78,47.4 81.84,47.39 81.9,47.38 81.96,47.36 82.02,47.34 82.07,47.31 82.13,47.28 82.18,47.25 82.23,47.22 82.28,47.18 82.33,47.14 82.37,47.09 82.41,47.05 82.45,47 82.49,46.95 82.52,46.9 82.55,46.85 82.58,46.79 82.6,46.74 82.63,46.68 82.64,46.62 82.66,46.56 87.3,24.2 87.31,24.18 87.31,24.15 87.32,24.13 87.32,24.1 87.32,24.07 87.33,24.01 87.33,23.97 87.33,23.93 87.33,17.95 87.33,17.91 87.33,17.87 87.32,17.81 87.32,17.77 87.32,17.74 87.31,17.71 87.3,17.68 87.3,17.65 87.29,17.61 87.28,17.57 87.27,17.54 87.26,17.51 87.25,17.48 87.24,17.45 87.22,17.42 87.21,17.39 87.19,17.35 87.18,17.32 87.16,17.29 87.15,17.26 87.13,17.23 87.11,17.2 87.09,17.18 87.07,17.14 87.05,17.12 87.03,17.09 87.02,17.07 87,17.05 86.98,17.03 86.96,17.01 U9.16 ; 72.61,63.79 72.5,63.37 72.25,63.72
~{BUSBUF}: length 73.5
  Top w0.2: U9.22 62.36,13.49 62.28,13.53 62.19,13.57 62.11,13.6 62.02,13.63 61.94,13.66 61.85,13.69 61.76,13.71 61.67,13.72 61.58,13.74 58.09,14.18 58.05,14.19 58,14.19 57.96,14.2 57.92,14.2 57.88,14.2 54.63,14.37 54.59,14.37 54.55,14.38 54.53,14.38 39.61,16.58 39.57,16.58 39.53,16.59 39.51,16.59 29.09,17.16 29.05,17.16 25.39,17.21 25.36,17.22 25.32,17.22 25.28,17.22 25.25,17.23 25.21,17.23 25.17,17.24 25.14,17.25 25.1,17.26 24.37,17.47 24.32,17.48 24.27,17.5 24.22,17.51 24.16,17.52 24.11,17.52 24.06,17.53 24.01,17.53 23.93,17.53 23.83,17.53 23.8,17.53 23.78,17.53 23.75,17.53 23.73,17.53 23.61,17.53 23.6,17.53 22.5,17.53 22.48,17.53 22.38,17.53 22.35,17.53 22.33,17.53 22.3,17.53 22.28,17.53 22.18,17.53 22.14,17.53 22.1,17.53 22.06,17.54 22.02,17.54 21.98,17.55 21.94,17.56 21.9,17.58 21.86,17.59 21.83,17.61 21.79,17.63 21.76,17.65 21.73,17.67 21.7,17.7 21.67,17.73 21.64,17.76 21.61,17.79 21.59,17.82 21.56,17.85 21.54,17.88 21.53,17.92 21.51,17.96 21.49,17.99 21.48,18.03 21.47,18.07 21.46,18.11 21.46,18.15 21.45,18.19 21.43,18.54 21.43,18.58 21.43,20.23 21.43,20.27 21.44,20.29 22.32,30.52 22.32,30.56 22.34,30.67 22.34,30.71 22.35,30.75 22.35,30.79 22.35,30.83 22.34,30.87 22.34,30.91 22.33,30.96 22.33,31 21.5,35.11 21.5,35.11 19.9,42.87 U10.1 ; 65.7,11.17 65.44,11.89 66.18,12.09
~{EXMEM}: length 79.5
  Top w0.2: 79,65.39 78.03,65.18 78.03,65.18 74.94,64.78 74.89,64.78 74.87,64.78 73.22,64.78 73.19,64.78 73.16,64.78 73.13,64.79 73.11,64.79 73.09,64.8 ; v2(63.11,68.92) 64.81,68.53 64.85,68.52 64.88,68.51 64.92,68.49 ; 64.92,68.49 64.94,68.48 64.96,68.46 65,68.44 65.01,68.43 66.69,66.95 66.72,66.93 67.72,66.15 67.76,66.12 67.79,66.11 67.8,66.1 67.84,66.08 67.86,66.07 67.88,66.07 67.91,66.06 67.94,66.05 67.96,66.05 68,66.05 69.67,66 69.71,66 69.74,65.99 69.77,65.99 69.79,65.98 ; 11.12,65.81 v2(10.8,65.65) ; 11.12,65.81 10.83,65.85 ; 11.12,65.81 U16.6 ; 11.12,65.81 10.98,65.56 ; 69.79,65.98 69.82,65.97 73.06,64.81 73.09,64.8 ; 63.15,68.73 63.57,68.82 63.23,69.08
  Bottom w0.2: v2(10.8,65.65) 11.59,65.67 11.69,65.67 R28.1 12.43,65.33 12.45,65.32 14.59,64.45 14.63,64.44 14.67,64.43 14.71,64.42 14.75,64.41 14.79,64.4 14.83,64.4 14.87,64.4 14.92,64.4 14.96,64.41 15,64.42 15.04,64.43 15.08,64.44 15.12,64.45 15.16,64.47 15.19,64.49 15.23,64.51 15.27,64.53 15.3,64.56 15.33,64.58 15.36,64.61 15.39,64.64 15.42,64.68 15.44,64.71 15.46,64.74 15.48,64.78 15.5,64.82 15.52,64.86 15.53,64.9 15.54,64.94 15.55,64.98 15.56,65.02 15.56,65.06 15.73,67.35 15.74,67.43 15.75,67.5 15.77,67.58 15.79,67.66 15.81,67.73 15.84,67.81 15.87,67.88 15.91,67.95 15.95,68.02 16,68.08 16.04,68.14 16.1,68.2 16.15,68.26 16.21,68.32 16.27,68.37 16.33,68.41 16.4,68.46 16.47,68.5 16.54,68.53 16.61,68.57 30.39,74.28 30.44,74.3 30.49,74.32 30.54,74.33 30.59,74.35 30.64,74.36 30.69,74.36 30.74,74.37 30.8,74.37 30.85,74.37 30.9,74.37 30.95,74.36 31,74.35 v2(63.11,68.92) ; 63.05,69.12 62.63,69 62.99,68.76 ; 10.88,65.84 11.28,65.67 10.89,65.48
~{F_EXMEM}: length 19.5
  Top w0.2: 19.02,64.75 18.04,64.94 13.09,66.61 13.07,66.62 13.03,66.63 13.01,66.63 12.95,66.64 12.94,66.64 11.25,66.68 11.25,66.68 v2(10.07,66.73) ; 10.15,66.55 10.55,66.71 10.16,66.91
  Bottom w0.2: 5.83,71.62 5.86,70.83 5.07,70.84 ; v2(10.07,66.73) J3.4 ; 10.14,66.92 9.73,67.07 9.88,66.66
~{F_INTAK}: length 22.2
  Top w0.2: J3.13 3.57,56.88 3.59,56.85 3.6,56.82 4.02,55.88 4.05,55.82 4.08,55.76 4.12,55.7 4.16,55.64 4.2,55.59 4.25,55.54 4.3,55.49 4.35,55.45 4.4,55.41 4.46,55.37 4.52,55.33 4.58,55.3 4.64,55.28 4.71,55.25 4.77,55.23 4.84,55.22 4.91,55.2 4.97,55.19 5.04,55.19 5.11,55.19 5.18,55.19 5.25,55.2 5.31,55.21 5.38,55.23 5.44,55.25 5.51,55.27 5.57,55.3 5.63,55.33 5.69,55.36 5.75,55.4 5.8,55.44 5.85,55.49 9.7,58.94 9.73,58.96 9.77,58.99 9.81,59.02 9.84,59.04 9.88,59.07 9.92,59.09 9.96,59.11 10,59.12 10.05,59.14 10.09,59.15 10.13,59.17 14.26,60.2 14.28,60.21 14.31,60.22 14.33,60.22 14.35,60.23 14.37,60.24 14.39,60.25 14.41,60.26 18.03,62.05 18.04,62.05 19.02,62.22 ; 3.26,58.68 3.04,57.92 2.29,58.18
~{F_INT}: length 56.6
  Top w0.2: 24.82,29.64 24.43,29.71 ; 24.82,29.64 24.53,29.37 ; 24.82,29.64 v2(24.39,29.51) ; 24.82,29.64 U19.5
  Bottom w0.2: J3.22 3.89,47.01 3.86,46.95 3.82,46.9 3.79,46.84 3.76,46.78 3.74,46.71 3.71,46.65 3.69,46.59 3.68,46.52 3.66,46.46 3.65,46.39 3.64,46.32 3.64,46.26 3.64,46.19 3.64,46.13 3.63,46.07 3.62,46.01 3.61,45.95 3.6,45.89 3.58,45.84 3.56,45.78 3.53,45.73 3.51,45.67 3.48,45.62 3.44,45.57 3.41,45.52 3.37,45.47 3.33,45.43 3.29,45.39 3.24,45.35 3.2,45.31 3.15,45.28 3.1,45.24 3.04,45.22 2.01,44.68 1.95,44.65 1.9,44.62 1.84,44.58 1.79,44.54 1.75,44.5 1.7,44.45 1.66,44.4 1.62,44.35 1.58,44.3 1.54,44.25 1.51,44.19 1.49,44.13 1.46,44.07 1.44,44.01 1.42,43.95 1.4,43.89 1.39,43.83 1.39,43.76 1.38,43.7 1.22,39.79 1.22,39.76 1.21,39.72 1.21,39.7 1.1,38.73 1.1,38.69 1.1,38.64 1.1,38.59 1.1,38.55 1.1,38.5 1.1,38.45 1.1,38.41 1.21,37.44 1.22,37.41 1.22,37.39 1.22,37.36 1.22,37.34 1.22,37.32 1.38,25.85 1.38,25.79 1.39,25.72 1.4,25.65 1.41,25.59 1.43,25.52 1.46,25.46 1.48,25.4 1.51,25.34 1.54,25.28 1.58,25.22 1.62,25.17 1.66,25.11 1.71,25.06 1.75,25.02 1.81,24.97 1.86,24.93 1.91,24.89 1.97,24.86 2.03,24.83 2.09,24.8 2.16,24.77 2.22,24.75 2.29,24.74 2.35,24.73 4.83,24.32 4.89,24.31 4.95,24.31 5.01,24.3 5.07,24.3 5.13,24.3 5.19,24.3 5.25,24.31 5.31,24.32 21.32,26.65 21.47,26.67 21.61,26.7 21.75,26.74 21.89,26.79 22.02,26.84 22.16,26.9 22.29,26.97 22.41,27.05 22.54,27.13 22.65,27.21 22.77,27.31 22.87,27.4 22.98,27.51 23.08,27.62 23.17,27.73 23.25,27.85 v2(24.39,29.51) 25.04,29.82 R19.1 ; 24.5,29.34 24.12,29.12 24.2,29.55 ; 24.39,29.71 24.83,29.72 24.55,29.38 ; 4.34,48.61 4.46,47.83 5.23,48